# Allegro board 1156197-TDI_VU3P_QSFP28_CXP_V001_1023A-166-20241121_1644_PCB.brd (continued)
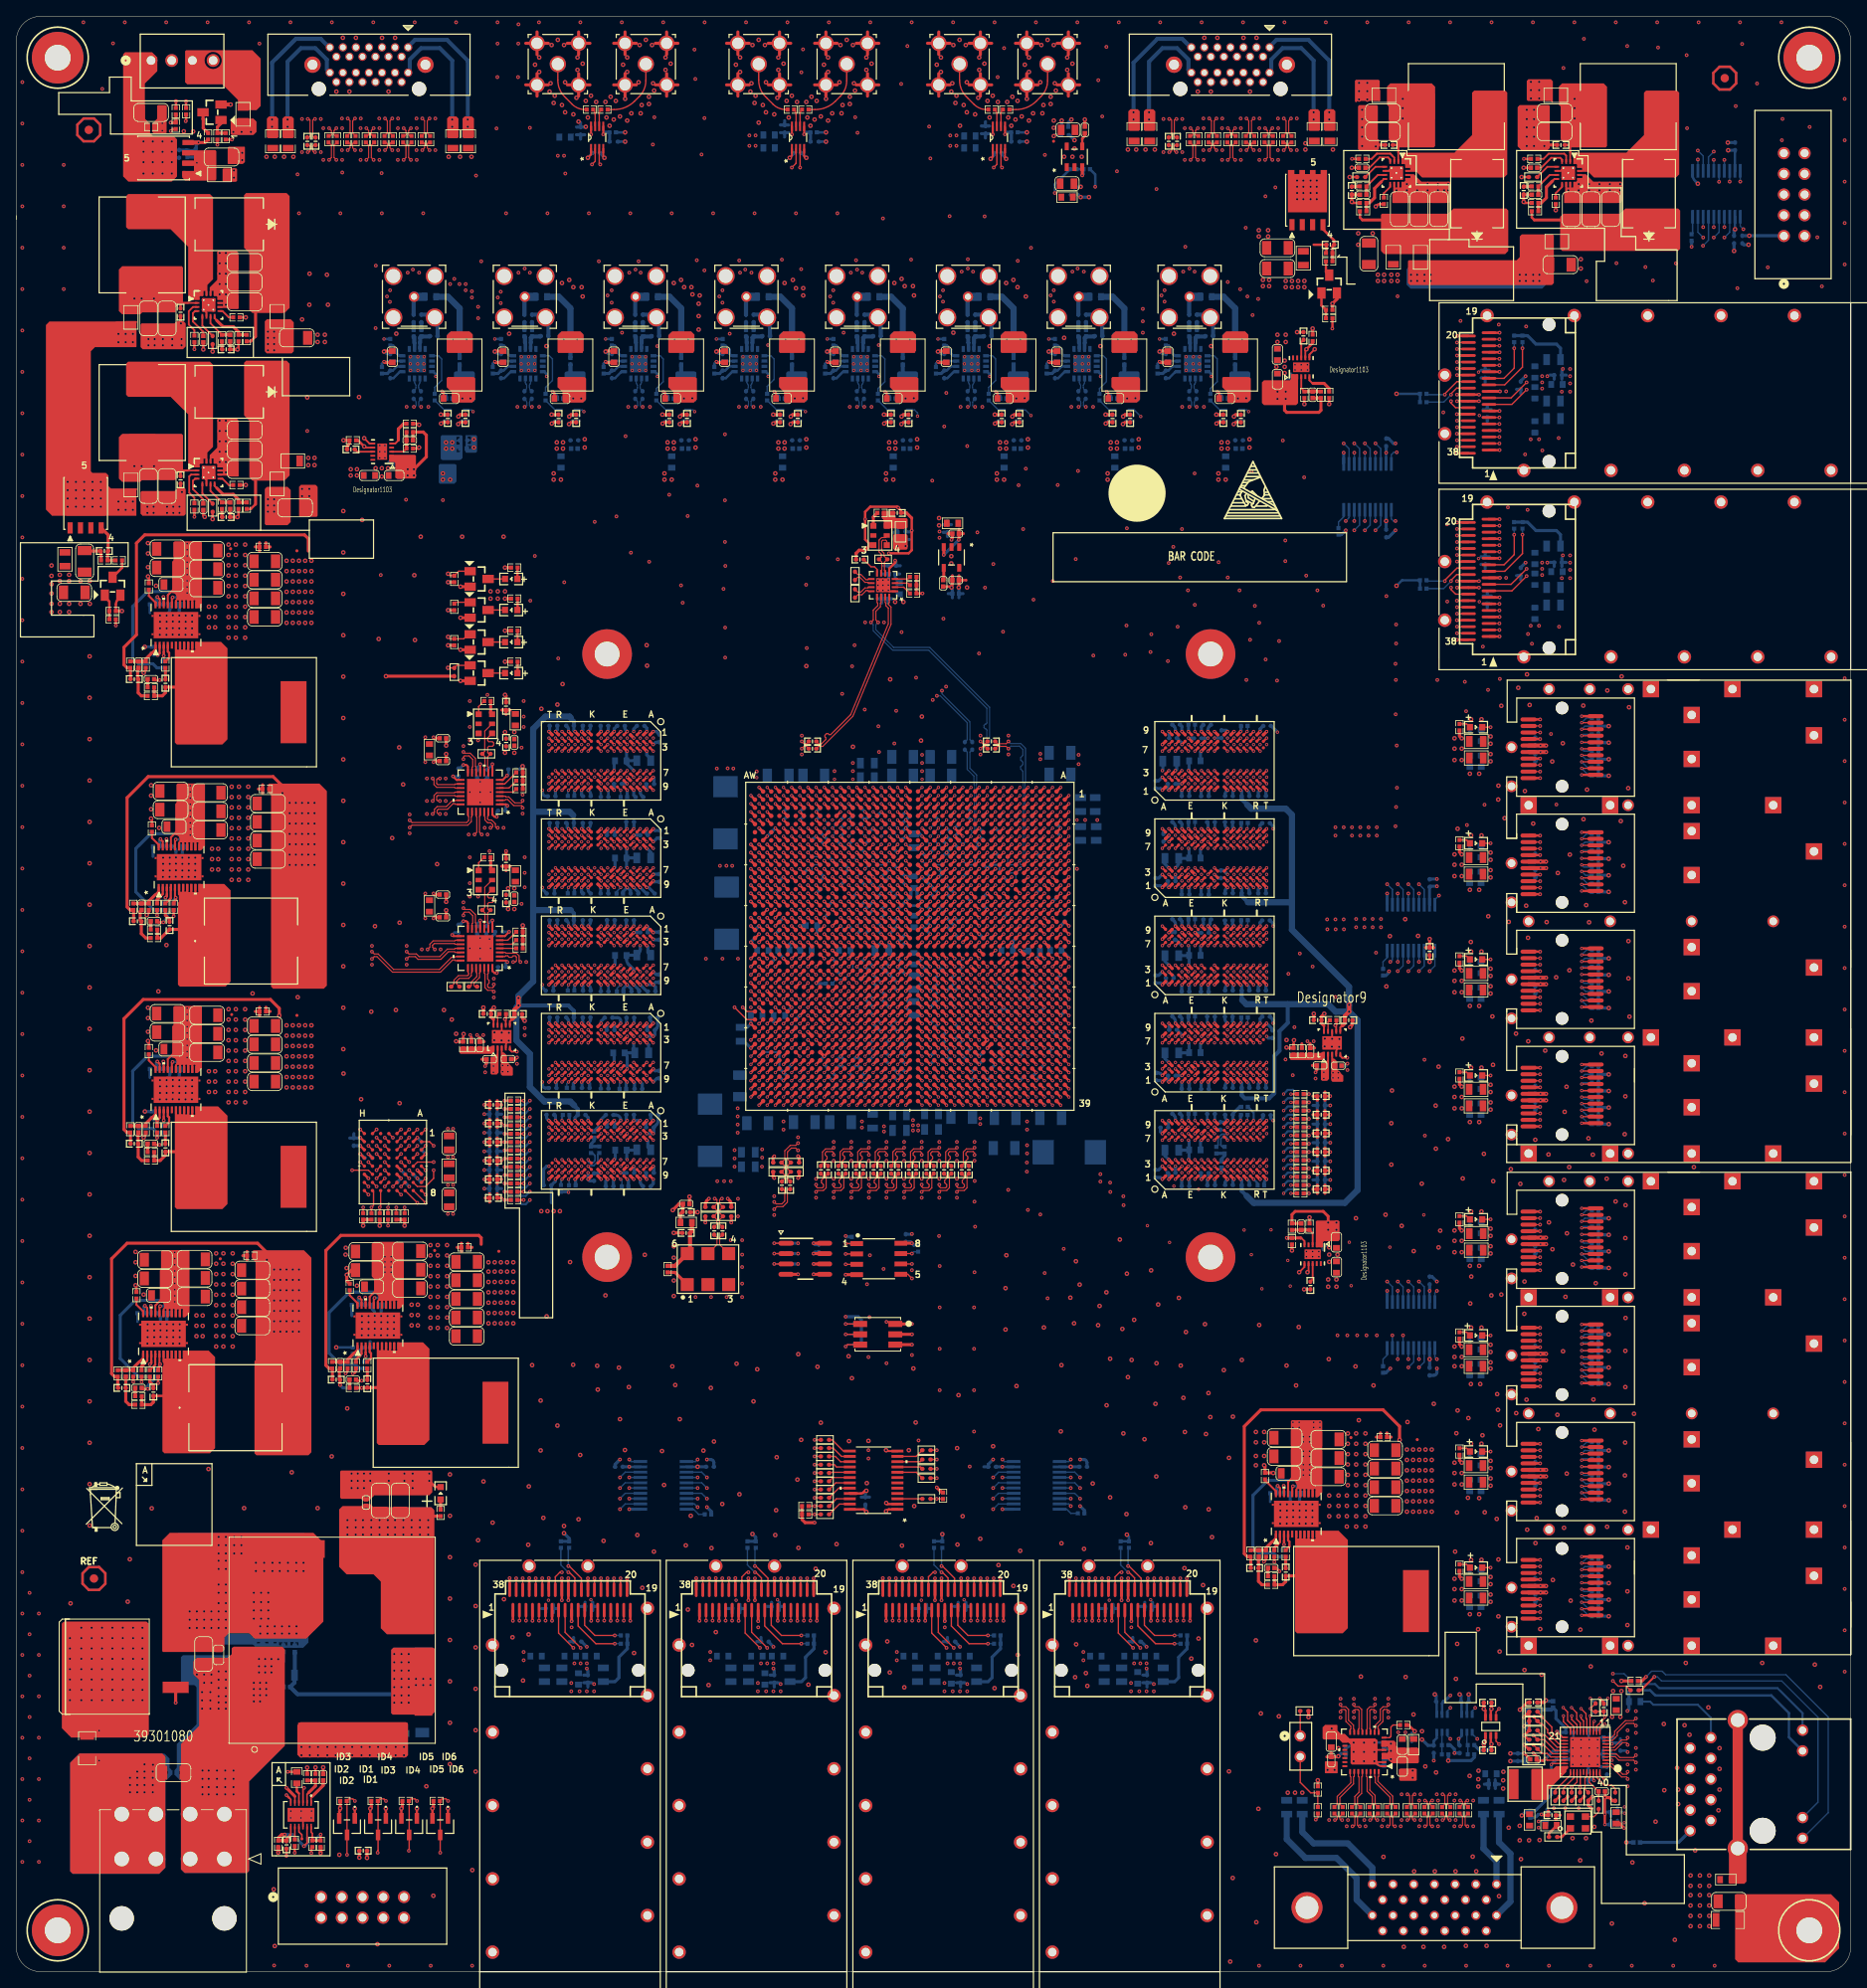
[diagram p0: board, top side]
## Routing (per net, layer and track width the routed paths; a pad name or vN(x,y) marks a point on that pad's centre or on a via; arc(x,y) is an arc through that point) (continued)
  ART07 w0.114: v1(62.1,142.85) 61.88,143.08 61.33,143.08 60.73,143.67 60.73,148.16 64.08,151.51 64.08,153.67 65.15,154.74 65.15,161.54 69.8,166.19 94.66,166.19 106.75,154.1 106.75,145.9
  BOTTOM w0.14: C100.2 106.6,139.86 v3(106.1,139.36)
CHA_MGTY_227_CLK0_N: length 102.8
  TOP w0.14: v1(59.05,140.4) 58.9,140.4 58.76,140.54 58.76,140.89 58.31,141.35 57.95,141.35 57.81,141.49 57.81,141.79 57.9,141.87 U62.27
  ART07 w0.102: v3(112.1,140.36) 112.1,140.06 112,139.96 110.59,139.96 110.54,140.01 110.52,140.01
  ART07 w0.114: 110.52,140.01 110.35,140.01 110.25,140.11 110.25,154.19 96.93,167.51 68.78,167.51 62.81,161.54 62.81,152.22 61.78,151.18 60.12,151.18 59,150.06 59,143.13 60.4,141.73 60.4,141.46 60.28,141.34 60.13,141.34 60.02,141.23 60.02,141 60.13,140.89 60.28,140.89 60.4,140.77 60.4,140.21 59.89,139.7 59,139.7 58.76,139.94 58.76,140.11 v1(59.05,140.4)
  BOTTOM w0.14: C104.2 112.6,140.86 v3(112.1,140.36)
CHA_MGTY_227_CLK0_P: length 102.8
  TOP w0.14: v1(58.16,140.4) 58.3,140.4 58.44,140.54 58.44,140.76 58.17,141.02 57.81,141.02 57.48,141.35 57.48,141.75 57.4,141.84 U62.26
  ART07 w0.102: v3(112.1,139.36) 112.1,139.65 112,139.76 110.59,139.76 110.54,139.7 110.52,139.7
  ART07 w0.114: 110.52,139.7 110.23,139.7 109.94,139.98 109.94,154.06 96.8,167.21 68.91,167.21 63.12,161.42 63.12,152.09 61.9,150.88 60.25,150.88 59.31,149.93 59.31,143.26 60.71,141.86 60.71,140.08 60.02,139.39 58.88,139.39 58.45,139.82 58.45,140.11 v1(58.16,140.4)
  BOTTOM w0.14: v3(112.1,139.36) 112.6,139.86 C102.2
CHA_MGTY_228_CLK0_N: length 99.1
  TOP w0.14: U62.25 56.9,141.87 56.81,141.79 56.81,139.85 v1(57.09,139.57)
  ART07 w0.114: v1(112.91,156.6) 112.91,157.02 112.63,157.31 112.47,157.31 112.21,157.04 112.04,157.04 111.88,157.21 111.88,157.37 112.14,157.63 112.14,157.79 110.22,159.71 107.09,159.71 98.27,168.53 66.04,168.53 54.1,156.59 54.1,147.96 55.12,146.94 55.12,144.42 56.72,142.82 56.72,141.53 56.83,141.42 56.93,141.42 57.05,141.3 57.05,141.07 56.93,140.96 56.83,140.96 56.72,140.85 56.72,139.95 v1(57.09,139.57)
  BOTTOM w0.14: C105.2 116.63,151.22 116.63,153.28 113.32,156.6 v1(112.91,156.6)
CHA_MGTY_228_CLK0_P: length 98.7
  TOP w0.14: U62.24 56.4,141.84 56.48,141.75 56.48,139.85 v1(56.2,139.57)
  ART07 w0.114: v1(56.2,139.57) 56.43,139.8 56.41,139.82 56.41,142.7 54.81,144.3 54.81,146.81 53.79,147.83 53.79,156.72 65.91,168.84 98.4,168.84 107.21,160.02 110.35,160.02 113.14,157.23 v1(113.54,157.23)
  BOTTOM w0.14: v1(113.54,157.23) 113.54,156.84 116.96,153.42 116.96,151.22 C103.2
CHA_QSFP2_I2C_SCL: length 198.4
  TOP w0.17: R504.2 v1(112.9,61.72) ; v1(184.74,199.26) 184.74,196.94 182.57,194.77 J5.11
  ART03 w0.122: v1(163.26,78.11) 162.51,78.86 160.39,78.86 158.24,76.71 125.48,76.71 114.05,65.28 114.05,62.87 v1(112.9,61.72)
  ART12 w0.122: v1(163.26,78.11) 163.26,78.17 166.04,80.95 166.04,93.48 170.18,97.62 170.18,114.22 174.19,118.23 174.19,131.11 173.74,131.57 173.74,134.37 174.5,135.13 174.5,156.19 178.84,160.53 178.84,181.25 184.4,186.82 184.4,198.92 v1(184.74,199.26)
  BOTTOM w0.17: R245.2 v1(184.74,199.26)
CHA_QSFP2_I2C_SDA: length 195.7
  TOP w0.17: J5.12 182.48,195.57 183.72,196.81 v1(183.72,199.26) ; R501.2 v1(112.9,60.58)
  ART03 w0.122: v1(162.05,78.11) 161.16,78.11 159.26,76.2 125.73,76.2 114.55,65.02 114.55,62.23 v1(112.9,60.58)
  ART12 w0.122: v1(183.72,199.26) 183.72,187.03 178.23,181.53 178.23,160.66 174,156.42 174,135.77 172.72,134.49 172.72,117.47 169.67,114.43 169.67,97.83 165.53,93.69 165.53,81.58 v1(162.05,78.11)
  BOTTOM w0.17: R246.2 v1(183.72,199.26)
CHA_QSFP2_INTL: length 5.9
  TOP w0.17: J5.28 176.67,194.36 175.98,193.67 v1(175.98,193.56)
  BOTTOM w0.17: v1(175.98,193.56) 175.98,193.54 175.08,192.65 R248.2
CHA_QSFP2_LPMODE: length 18.1
  TOP w0.17: J5.31 176.54,191.96 175.98,192.53 v1(175.98,192.76)
  ART05 w0.122: v1(165.41,187.58) 165.48,187.58 165.99,188.09 169.66,188.09 174.33,192.76 v1(175.98,192.76)
  BOTTOM w0.17: U21.16 166.06,186.93 v1(165.41,187.58)
CHA_QSFP2_LPMODE_1V8: length 108.8
  TOP w0.152: U1.H26 v1(122.1,119.36)
  ART05 w0.122: v1(165.41,176.91) 165.35,176.85 165.35,139.95 v1(164.85,139.45)
  ART14 w0.122: v1(122.1,119.36) 121.82,119.36 121.32,119.86 120.93,119.86 120.6,120.19 120.6,120.55 120.24,120.9 119.86,120.9 119.6,121.16 119.6,121.57 119.38,121.79 117.86,121.79 117.59,122.06 117.59,130.52 117.88,130.81 122.43,130.81 122.68,131.06 122.68,131.57 122.97,131.86 138.53,131.86 139.05,131.33 159.06,131.33 164.85,137.11 v1(164.85,139.45)
  BOTTOM w0.17: U21.5 166.06,177.56 v1(165.41,176.91)
CHA_QSFP2_MODPRSL: length 23
  TOP w0.17: v1(175.22,193.56) 175.22,193.67 176.71,195.16 J5.27
  ART05 w0.122: v1(175.22,193.56) 174.41,193.56 169.57,188.72 165.48,188.72 165.35,188.6 165.35,188.59 164.85,188.09 164.85,187.2 165.1,186.94 166.2,186.94 v1(166.71,186.44)
  BOTTOM w0.17: U21.17 v1(166.71,186.44) ; R247.2 173.08,193.56 v1(175.22,193.56)
CHA_QSFP2_MODPRSL_1V8: length 98.3
  TOP w0.152: v1(121.1,122.36) 121.1,122.36 U1.H23
  ART05 w0.122: v1(166.71,178.05) 167.26,177.51 167.26,176.4 166.88,176.02 v1(166.88,140.46)
  ART14 w0.122: v1(166.88,140.46) 166.37,139.95 166.37,136.48 160.08,130.19 138.82,130.19 137.54,128.91 123.06,128.91 122.56,128.4 122.56,128.12 122.28,127.84 121.79,127.84 121.62,127.66 121.62,122.87 v1(121.1,122.36)
  BOTTOM w0.17: U21.4 v1(166.71,178.05)
CHA_QSFP2_MODSEIL: length 30.7
  TOP w0.17: J5.8 183.44,192.37 v1(185.25,194.18)
  ART05 w0.122: v1(169.32,186.49) 173.56,186.49 175.42,184.63 178.26,184.63 180.8,187.17 180.8,191.87 181.44,192.5 183.57,192.5 v1(185.25,194.18)
  BOTTOM w0.17: v1(169.32,186.49) 168.96,186.49 168.66,186.19 U21.20
CHA_QSFP2_MODSEIL_1V8: length 101.6
  TOP w0.152: U1.G26 v1(123.1,119.36)
  ART05 w0.122: v1(166.88,139.45) 167.39,139.95 167.39,175.9 167.89,176.4 167.89,177.04 168.91,178.05 v1(169.16,178.05)
  ART14 w0.122: v1(166.88,139.45) 166.88,136.27 160.41,129.81 139.2,129.81 137.29,127.89 122.89,127.89 122.59,127.6 122.59,120.1 123.1,119.6 v1(123.1,119.36)
  BOTTOM w0.17: v1(169.16,178.05) 168.91,178.05 168.66,178.3 U21.1
CHA_QSFP2_RESETL: length 34.5
  TOP w0.17: v1(185.25,195.07) 183.35,193.17 J5.9
  ART05 w0.122: v1(166.71,187.58) 167.22,187.07 173.99,187.07 175.67,185.39 177.88,185.39 180.17,187.68 180.17,192.5 180.93,193.26 183.45,193.26 v1(185.25,195.07)
  BOTTOM w0.17: U21.18 167.36,186.93 v1(166.71,187.58)
CHA_QSFP2_RESETL_1V8: length 101.2
  TOP w0.152: U1.H24 v1(122.1,121.36)
  ART05 w0.122: v1(166.71,176.91) 166.71,176.62 166.37,176.28 166.37,139.95 v1(165.86,139.45)
  ART14 w0.122: v1(122.1,121.36) 121.97,121.36 121.47,121.86 120.89,121.86 120.6,122.15 120.6,128.58 120.93,128.91 122.43,128.91 122.68,129.16 122.68,129.55 123.06,129.92 137.79,129.92 138.44,130.57 159.74,130.57 165.86,136.69 v1(165.86,139.45)
  BOTTOM w0.17: v1(166.71,176.91) 167.36,177.56 U21.3
CHA_QSFP2_RX0_N: length 105.5
  TOP w0.14: J5.18 180.63,200.37 v1(181.91,200.37) ; U1.AC1 v3(106.1,145.36)
  ART14 w0.102: v3(106.1,145.36) 106.1,145.06 arc(106.13,144.99) 106.2,144.96 106.35,144.96 arc(106.46,145) 106.5,145.11 106.5,145.64 106.45,145.69 106.45,145.72
  ART14 w0.114: v1(181.91,200.37) 181.78,200.23 arc(181.65,200.15) 181.5,200.12 180.77,200.12 arc(180.4,200.19) 180.09,200.4 179.29,201.2 arc(178.76,201.55) 178.14,201.68 175.94,201.68 arc(172.5,200.99) 169.58,199.04 155.61,185.07 arc(151.13,182.08) 145.85,181.03 139.26,181.03 arc(133.92,179.97) 129.39,176.94 110.17,157.72 arc(109.05,156.05) 108.66,154.08 108.66,151.64 arc(108.33,150) 107.4,148.6 107.25,148.45 arc(107,148.17) 106.8,147.85 arc(106.54,147.21) 106.45,146.52 106.45,145.72
CHA_QSFP2_RX0_P: length 105.5
  TOP w0.14: v1(181.91,199.57) 180.63,199.57 J5.17 ; U1.AC2 v3(106.1,144.36)
  ART14 w0.102: 106.76,145.72 106.76,145.69 106.71,145.64 106.71,145.11 arc(106.6,144.86) 106.35,144.76 106.2,144.76 arc(106.13,144.73) 106.1,144.65 v3(106.1,144.36)
  ART14 w0.114: 106.76,145.72 106.76,146.52 arc(106.84,147.13) 107.06,147.7 arc(107.25,147.98) 107.47,148.23 107.62,148.39 arc(108.62,149.88) 108.97,151.64 108.97,154.08 arc(109.33,155.93) 110.38,157.5 129.6,176.72 arc(134.03,179.68) 139.26,180.72 145.85,180.72 arc(151.25,181.79) 155.82,184.85 169.79,198.82 arc(172.61,200.71) 175.94,201.37 178.14,201.37 arc(178.65,201.27) 179.08,200.98 179.16,200.9 arc(179.18,200.85) 179.16,200.8 arc(179.14,200.75) 179.16,200.7 179.38,200.48 arc(179.43,200.46) 179.48,200.48 arc(179.53,200.5) 179.58,200.48 179.87,200.18 arc(180.29,199.91) 180.77,199.81 181.5,199.81 arc(181.65,199.78) 181.78,199.7 v1(181.91,199.57)
CHA_QSFP2_RX1_N: length 97.8
  TOP w0.14: v1(176.71,199.96) 176.72,199.97 J5.21 ; U1.AA1 v3(108.1,145.36)
  ART14 w0.102: 108.45,145.72 108.45,145.69 108.5,145.64 108.5,145.11 arc(108.46,145) 108.35,144.96 108.2,144.96 arc(108.13,144.99) 108.1,145.06 v3(108.1,145.36)
  ART14 w0.114: v1(176.71,199.96) 176.58,199.83 arc(176.45,199.75) 176.3,199.72 174.92,199.72 arc(172.55,199.25) 170.55,197.91 153.89,181.25 arc(150.97,179.3) 147.53,178.62 136.46,178.62 arc(133.47,178.02) 130.93,176.33 111.05,156.44 arc(110.16,155.12) 109.86,153.56 109.86,148.73 109.85,148.73 arc(109.79,148.42) 109.61,148.15 109.11,147.65 arc(108.62,146.91) 108.45,146.05 108.45,145.72
CHA_QSFP2_RX1_P: length 97.8
  TOP w0.14: J5.22 176.71,199.17 v1(176.71,199.16) ; U1.AA2 v3(108.1,144.36)
  ART14 w0.102: v3(108.1,144.36) 108.1,144.65 arc(108.13,144.73) 108.2,144.76 108.35,144.76 arc(108.6,144.86) 108.71,145.11 108.71,145.64 108.76,145.69 108.76,145.72
  ART14 w0.114: 108.76,145.72 108.76,146.05 arc(108.91,146.8) 109.33,147.43 109.83,147.93 arc(110.08,148.3) 110.16,148.73 110.16,153.56 arc(110.45,155) 111.26,156.22 131.15,176.11 arc(133.59,177.74) 136.46,178.31 147.53,178.31 arc(151.09,179.02) 154.11,181.03 170.77,197.69 arc(172.67,198.96) 174.92,199.41 175.49,199.41 arc(175.54,199.39) 175.56,199.34 arc(175.58,199.28) 175.63,199.26 175.94,199.26 arc(176,199.28) 176.02,199.34 arc(176.04,199.39) 176.09,199.41 176.3,199.41 arc(176.45,199.38) 176.58,199.3 v1(176.71,199.16)
CHA_QSFP2_RX2_N: length 104.6
  TOP w0.14: v1(181.91,197.97) 180.63,197.97 J5.15 ; U1.W1 v3(111.1,145.36)
  ART14 w0.102: v3(111.1,145.36) 111.1,145.06 arc(111.13,144.99) 111.2,144.96 111.39,144.96 arc(111.61,144.87) 111.7,144.65 111.7,144.1 arc(111.74,144) 111.85,143.96 114.22,143.96 arc(114.42,144.04) 114.5,144.24 114.5,145.61 114.45,145.66 114.45,145.69
  ART14 w0.114: v1(181.91,197.97) 181.78,197.83 arc(181.65,197.75) 181.5,197.72 181.19,197.72 arc(180.99,197.68) 180.83,197.57 180.56,197.31 arc(180.45,197.14) 180.41,196.95 180.41,190.09 arc(180.09,188.47) 179.18,187.11 175.18,183.1 arc(172.4,181.25) 169.12,180.59 164.54,180.59 arc(162.66,180.22) 161.07,179.16 158.18,176.26 arc(155.86,174.71) 153.12,174.17 140.34,174.17 arc(136.35,173.38) 132.96,171.11 116.65,154.8 arc(115.02,152.36) 114.45,149.49 114.45,145.69
CHA_QSFP2_RX2_P: length 104.6
  TOP w0.14: J5.14 180.63,197.17 v1(181.91,197.17) ; U1.W2 v3(111.1,144.36)
  ART14 w0.102: 114.75,145.69 114.75,145.66 114.7,145.61 114.7,144.24 arc(114.56,143.9) 114.22,143.76 111.85,143.76 arc(111.6,143.86) 111.5,144.1 111.5,144.65 arc(111.47,144.72) 111.39,144.76 111.2,144.76 arc(111.13,144.73) 111.1,144.65 v3(111.1,144.36)
  ART14 w0.114: 114.75,145.69 114.75,149.49 arc(115.3,152.25) 116.87,154.59 133.18,170.9 arc(136.46,173.09) 140.34,173.86 153.12,173.86 arc(155.98,174.43) 158.39,176.05 161.28,178.94 arc(162.78,179.94) 164.54,180.29 169.12,180.29 arc(172.51,180.96) 175.39,182.89 179.4,186.89 arc(180.38,188.36) 180.72,190.09 180.72,196.17 arc(180.74,196.22) 180.8,196.24 arc(180.85,196.26) 180.87,196.32 180.87,196.62 arc(180.85,196.68) 180.8,196.7 arc(180.74,196.72) 180.72,196.78 180.72,196.95 arc(180.74,197.02) 180.78,197.09 181.04,197.35 arc(181.11,197.4) 181.19,197.41 181.5,197.41 arc(181.65,197.38) 181.78,197.3 v1(181.91,197.17)
CHA_QSFP2_RX3_N: length 96.4
  TOP w0.14: v1(176.71,197.56) 178.12,197.56 J5.24 ; U1.U1 v3(113.1,145.36)
  ART14 w0.102: 113.45,145.87 113.45,145.85 113.5,145.79 113.5,145.07 arc(113.47,144.99) 113.39,144.96 113.2,144.96 arc(113.13,144.99) 113.1,145.06 v3(113.1,145.36)
  ART14 w0.114: v1(176.71,197.56) 176.58,197.43 arc(176.45,197.35) 176.3,197.32 176.23,197.32 arc(176.17,197.33) 176.12,197.36 176.12,197.36 arc(175.84,197.55) 175.51,197.61 175.05,197.61 arc(174.28,197.46) 173.63,197.03 173.46,196.85 arc(172.82,195.9) 172.59,194.77 172.59,189.7 arc(172.33,188.38) 171.58,187.26 168.22,183.89 arc(166.59,182.81) 164.67,182.43 162.56,182.43 arc(160.61,182.04) 158.96,180.93 157.25,179.22 arc(154.05,177.08) 150.27,176.33 141.47,176.33 arc(136.48,175.34) 132.25,172.51 114.2,154.46 arc(112.92,152.54) 112.47,150.27 112.47,147.97 arc(112.48,147.8) 112.51,147.64 arc(112.66,147.22) 112.93,146.86 113.29,146.49 arc(113.41,146.32) 113.45,146.12 113.45,145.87
CHA_QSFP2_RX3_P: length 96.5
  TOP w0.14: U1.U2 v3(113.1,144.36) ; J5.25 178.12,196.76 v1(176.71,196.76)
  ART14 w0.102: v3(113.1,144.36) 113.1,144.65 arc(113.13,144.73) 113.2,144.76 113.39,144.76 arc(113.61,144.85) 113.7,145.07 113.7,145.79 113.75,145.85 113.75,145.87
  ART14 w0.114: 113.75,145.87 113.75,146.12 arc(113.69,146.44) 113.51,146.71 113.15,147.07 arc(112.93,147.36) 112.81,147.7 arc(112.78,147.84) 112.78,147.97 112.78,150.27 arc(113.2,152.42) 114.42,154.25 132.47,172.29 arc(136.6,175.05) 141.47,176.02 150.27,176.02 arc(154.16,176.8) 157.47,179.01 159.18,180.72 arc(160.73,181.75) 162.56,182.12 164.67,182.12 arc(166.71,182.52) 168.44,183.68 171.8,187.04 arc(172.61,188.26) 172.9,189.7 172.9,193.98 arc(172.93,194.04) 172.99,194.07 arc(173.05,194.09) 173.08,194.16 173.08,194.44 arc(173.05,194.5) 172.99,194.53 arc(172.93,194.55) 172.9,194.61 172.9,194.77 arc(173.1,195.78) 173.67,196.63 173.85,196.81 arc(174.4,197.18) 175.05,197.31 175.51,197.31 arc(175.73,197.26) 175.91,197.14 arc(176.05,197.04) 176.23,197.01 176.3,197.01 arc(176.45,196.98) 176.58,196.89 v1(176.71,196.76)
CHA_QSFP2_TX0_N: length 96.6
  TOP w0.14: v1(176.71,187.16) 176.72,187.17 J5.37 ; U1.AD4 v3(105.1,142.36)
  ART16 w0.102: 104.78,145.84 104.78,145.81 104.73,145.76 104.73,144.2 104.7,143.8 104.7,142.15 arc(104.76,142.01) 104.89,141.96 104.91,141.96 arc(105.05,142.01) 105.1,142.15 v3(105.1,142.36)
  ART16 w0.114: v1(176.71,187.16) 176.58,187.3 arc(176.45,187.38) 176.3,187.41 176.15,187.41 arc(176.04,187.39) 175.95,187.33 175.8,187.18 arc(175.78,187.12) 175.8,187.06 arc(175.83,186.99) 175.8,186.93 175.61,186.73 arc(175.54,186.71) 175.48,186.73 arc(175.42,186.76) 175.36,186.73 175.16,186.53 arc(175.13,186.47) 175.16,186.41 arc(175.18,186.35) 175.16,186.28 174.96,186.08 arc(174.9,186.06) 174.83,186.08 arc(174.77,186.11) 174.71,186.08 174.57,185.94 arc(173.65,185.33) 172.56,185.11 159.39,185.11 arc(156.64,184.57) 154.31,183.01 arc(151.77,181.32) 148.79,180.72 arc(136.75,178.33) 126.56,171.51 108,152.96 arc(107.21,151.78) 106.93,150.38 106.93,149 arc(106.86,148.64) 106.66,148.34 106.22,147.89 arc(106.19,147.83) 106.22,147.77 arc(106.24,147.71) 106.22,147.64 106.02,147.44 arc(105.96,147.42) 105.89,147.44 arc(105.83,147.47) 105.77,147.44 105.57,147.25 arc(105.54,147.18) 105.57,147.12 arc(105.6,147.06) 105.57,147 105.37,146.8 arc(105.31,146.77) 105.25,146.8 arc(105.18,146.82) 105.12,146.8 104.99,146.67 arc(104.83,146.43) 104.78,146.14 104.78,145.84
CHA_QSFP2_TX0_P: length 96.6
  TOP w0.14: U1.AD5 v3(105.1,141.36) ; J5.36 178.12,187.96 v1(176.71,187.96)
  ART16 w0.102: v3(105.1,141.36) 105.1,141.57 arc(105.05,141.7) 104.91,141.76 104.89,141.76 arc(104.61,141.87) 104.5,142.15 104.5,143.81 104.52,144.2 104.52,145.76 104.47,145.81 104.47,145.84
  ART16 w0.114: v1(176.71,187.96) 176.58,187.83 arc(176.45,187.75) 176.3,187.72 176.15,187.72 arc(175.92,187.67) 175.73,187.55 174.35,186.16 arc(173.53,185.61) 172.56,185.42 159.39,185.42 arc(156.52,184.85) 154.09,183.22 arc(151.66,181.6) 148.79,181.03 148.78,181.03 arc(136.64,178.61) 126.34,171.73 108.74,154.14 108.41,153.8 107.78,153.18 arc(106.93,151.89) 106.63,150.38 106.63,149 arc(106.58,148.76) 106.44,148.55 105.59,147.7 104.78,146.89 arc(104.55,146.54) 104.47,146.14 104.47,145.84
CHA_QSFP2_TX1_N: length 105.2
  TOP w0.14: U1.AB4 v3(107.1,142.36) ; J5.2 180.63,187.57 v1(181.91,187.57)
  ART16 w0.102: 113.47,146.02 113.47,146 113.52,145.95 113.52,144.02 113.5,143.62 113.5,141.33 arc(113.39,141.07) 113.13,140.96 110.73,140.96 arc(110.59,140.99) 110.47,141.07 109.75,141.79 arc(109.56,141.91) 109.34,141.96 107.29,141.96 arc(107.16,142.01) 107.1,142.15 v3(107.1,142.36)
  ART16 w0.114: 113.47,146.02 113.47,148.53 arc(113.44,148.6) 113.38,148.63 arc(113.31,148.65) 113.28,148.72 113.28,148.99 arc(113.31,149.06) 113.38,149.08 arc(113.44,149.11) 113.47,149.18 113.47,149.45 arc(113.44,149.51) 113.38,149.54 arc(113.31,149.57) 113.28,149.63 113.28,149.9 arc(113.31,149.97) 113.38,150 arc(113.44,150.02) 113.47,150.09 113.47,151.38 arc(113.9,153.55) 115.13,155.39 116.98,157.24 116.98,157.24 129.22,169.48 arc(136.81,174.55) 145.76,176.33 151.64,176.33 arc(154.15,176.83) 156.28,178.25 157.35,179.32 arc(159.1,180.49) 161.16,180.9 173.45,180.9 arc(174.42,181.09) 175.24,181.64 177.64,184.05 arc(178.24,184.44) 178.94,184.58 180.13,184.58 arc(180.56,184.67) 180.92,184.91 181.04,185.03 arc(181.07,185.09) 181.04,185.15 arc(181.02,185.2) 181.04,185.26 181.25,185.47 arc(181.31,185.49) 181.37,185.47 arc(181.42,185.45) 181.48,185.47 181.69,185.68 arc(181.71,185.74) 181.69,185.79 arc(181.67,185.85) 181.69,185.91 181.9,186.12 arc(181.96,186.14) 182.01,186.12 arc(182.07,186.09) 182.13,186.12 182.56,186.55 arc(182.66,186.71) 182.7,186.89 182.7,187.56 arc(182.62,187.74) 182.44,187.81 182.32,187.81 arc(182.17,187.78) 182.04,187.7 v1(181.91,187.57)
CHA_QSFP2_TX1_P: length 105.3
  TOP w0.14: v1(181.91,188.37) 180.63,188.37 J5.3 ; U1.AB5 v3(107.1,141.36)
  ART16 w0.102: 113.78,146.02 113.78,146 113.72,145.95 113.72,144.01 113.7,143.62 113.7,141.33 arc(113.53,140.92) 113.13,140.76 110.73,140.76 arc(110.51,140.8) 110.33,140.92 109.6,141.65 arc(109.48,141.73) 109.34,141.76 107.29,141.76 arc(107.16,141.7) 107.1,141.57 v3(107.1,141.36)
  ART16 w0.114: v1(181.91,188.37) 182.04,188.24 arc(182.17,188.15) 182.32,188.12 182.44,188.12 arc(182.84,187.95) 183.01,187.56 183.01,186.89 arc(182.95,186.59) 182.77,186.33 181.14,184.7 arc(180.68,184.39) 180.13,184.28 178.94,184.28 arc(178.36,184.16) 177.86,183.83 175.45,181.42 arc(174.54,180.81) 173.45,180.59 161.16,180.59 arc(159.22,180.21) 157.57,179.11 156.5,178.04 arc(154.27,176.55) 151.64,176.02 145.76,176.02 arc(136.93,174.27) 129.44,169.26 117.71,157.54 117.71,157.54 115.35,155.17 arc(114.19,153.43) 113.78,151.38 113.78,146.02
CHA_QSFP2_TX2_N: length 97.4
  TOP w0.14: v1(176.71,189.56) 178.12,189.56 J5.34 ; U1.V4 v3(112.1,142.36)
  ART16 w0.102: 112.42,145.84 112.42,145.81 112.48,145.76 112.48,144.05 112.5,143.66 112.5,142.11 112.5,142.07 112.5,142.07 arc(112.47,141.99) 112.39,141.96 112.29,141.96 arc(112.16,142.01) 112.1,142.15 v3(112.1,142.36)
  ART16 w0.114: v1(176.71,189.56) 176.84,189.7 arc(176.97,189.78) 177.12,189.81 177.24,189.81 arc(177.55,189.68) 177.67,189.38 177.67,189.23 arc(177.65,189.18) 177.6,189.16 arc(177.54,189.13) 177.52,189.08 177.52,188.78 arc(177.54,188.72) 177.6,188.7 arc(177.65,188.68) 177.67,188.62 177.67,186.81 arc(177.61,186.49) 177.43,186.22 176.9,185.69 arc(176.84,185.66) 176.77,185.69 arc(176.71,185.72) 176.65,185.69 176.45,185.49 arc(176.42,185.43) 176.45,185.37 arc(176.47,185.3) 176.45,185.24 176.25,185.04 arc(176.19,185.02) 176.13,185.04 arc(176.06,185.07) 176,185.04 175.8,184.84 arc(175.78,184.78) 175.8,184.72 arc(175.83,184.66) 175.8,184.59 175.6,184.4 arc(175.54,184.37) 175.48,184.4 arc(175.42,184.42) 175.35,184.4 175.16,184.2 arc(175.13,184.14) 175.16,184.07 arc(175.18,184.01) 175.16,183.95 174.23,183.02 arc(173.57,182.58) 172.8,182.43 159.02,182.43 arc(157.29,182.08) 155.83,181.1 155.8,181.08 arc(153.08,179.26) 149.86,178.62 146.77,178.62 arc(137.12,176.7) 128.94,171.23 113.28,155.57 arc(112.23,154) 111.86,152.15 111.86,148.5 arc(111.94,148.09) 112.18,147.74 arc(112.36,147.46) 112.42,147.14 112.42,145.84
CHA_QSFP2_TX2_P: length 97.4
  TOP w0.14: J5.33 178.12,190.36 v1(176.71,190.36) ; U1.V5 v3(112.1,141.36)
  ART16 w0.102: v3(112.1,141.36) 112.1,141.57 arc(112.16,141.7) 112.29,141.76 112.39,141.76 arc(112.61,141.85) 112.7,142.07 112.7,142.11 112.7,143.66 112.68,144.06 112.68,145.76 112.73,145.81 112.73,145.84
  ART16 w0.114: v1(176.71,190.36) 176.84,190.23 arc(176.97,190.15) 177.12,190.12 177.24,190.12 arc(177.76,189.9) 177.98,189.38 177.98,186.81 arc(177.89,186.37) 177.65,186 174.44,182.8 arc(173.69,182.3) 172.8,182.12 159.02,182.12 arc(157.41,181.8) 156.05,180.89 156.02,180.86 arc(153.19,178.97) 149.86,178.31 146.77,178.31 arc(137.24,176.41) 129.16,171.01 113.5,155.35 arc(112.51,153.88) 112.17,152.15 112.17,152.15 112.17,148.5 arc(112.23,148.21) 112.39,147.96 arc(112.64,147.58) 112.73,147.14 112.73,145.84
CHA_QSFP2_TX3_N: length 101.4
  TOP w0.14: U1.T4 v3(114.1,142.36) ; v1(181.91,189.97) 180.63,189.97 J5.5
  ART16 w0.102: v3(114.1,142.36) 114.1,142.15 arc(114.16,142.01) 114.29,141.96 114.39,141.96 arc(114.47,141.99) 114.5,142.07 114.5,142.07 114.5,142.11 114.5,143.67 114.48,144.06 114.48,145.76 114.42,145.81 114.42,145.84
  ART16 w0.114: v1(181.91,189.97) 182.04,190.1 arc(182.17,190.18) 182.32,190.21 182.53,190.21 arc(182.59,190.19) 182.61,190.13 arc(182.64,190.07) 182.7,190.04 182.98,190.04 arc(183.04,190.07) 183.07,190.13 arc(183.09,190.19) 183.15,190.21 183.3,190.21 arc(183.46,190.18) 183.58,190.1 183.75,189.93 arc(183.91,189.69) 183.97,189.41 183.97,186.53 arc(183.86,185.97) 183.54,185.5 180.64,182.6 arc(180.45,182.47) 180.22,182.43 179.2,182.43 arc(178.49,182.29) 177.9,181.89 175.28,179.27 arc(169.63,175.5) 162.96,174.17 145.15,174.17 arc(136.71,172.49) 129.56,167.71 116.43,154.59 arc(115.66,153.43) 115.39,152.07 115.39,151.8 arc(115.36,151.74) 115.3,151.71 arc(115.24,151.69) 115.21,151.62 115.21,151.34 arc(115.24,151.28) 115.3,151.26 arc(115.36,151.23) 115.39,151.17 115.39,150.89 arc(115.36,150.82) 115.3,150.8 arc(115.24,150.77) 115.21,150.71 115.21,150.43 arc(115.24,150.37) 115.3,150.34 arc(115.36,150.32) 115.39,150.25 115.39,149.97 arc(115.36,149.91) 115.3,149.88 115.29,149.88 arc(115.23,149.86) 115.2,149.8 115.2,149.51 arc(115.23,149.45) 115.29,149.43 115.3,149.43 arc(115.36,149.4) 115.39,149.34 115.39,149.05 arc(115.28,148.51) 114.97,148.05 arc(114.83,147.88) 114.7,147.7 arc(114.63,147.57) 114.57,147.44 arc(114.46,147.09) 114.42,146.72 114.42,145.84
CHA_QSFP2_TX3_P: length 101.4
  TOP w0.14: v1(181.91,190.77) 181.91,190.77 J5.6 ; U1.T5 v3(114.1,141.36)
  ART16 w0.102: 114.73,145.84 114.73,145.81 114.68,145.76 114.68,144.07 114.7,143.68 114.7,142.11 114.7,142.07 arc(114.61,141.85) 114.39,141.76 114.29,141.76 arc(114.16,141.7) 114.1,141.57 v3(114.1,141.36)
  ART16 w0.114: v1(181.91,190.77) 182.04,190.64 arc(182.17,190.55) 182.32,190.52 183.3,190.52 arc(183.57,190.47) 183.8,190.31 183.97,190.14 arc(184.2,189.81) 184.28,189.41 184.28,186.53 arc(184.14,185.86) 183.76,185.28 180.86,182.38 arc(180.57,182.19) 180.22,182.12 179.2,182.12 arc(178.61,182) 178.11,181.67 175.5,179.06 arc(169.75,175.21) 162.96,173.86 145.15,173.86 arc(136.83,172.21) 129.78,167.5 116.65,154.37 arc(115.94,153.31) 115.7,152.07 115.7,149.05 arc(115.57,148.39) 115.19,147.83 arc(115.07,147.69) 114.96,147.54 arc(114.9,147.43) 114.85,147.32 arc(114.76,147.03) 114.73,146.72 114.73,145.84
CHA_QSFP2_VCCI: length 4.2
  TOP w0.305: v1(179.41,192.76) J5.30 v1(176.71,192.76)
  BOTTOM w0.381: 179.92,191.73 C484.1 ; C484.1 180.43,192.26 ; C484.1 180.93,191.73
CHA_QSFP2_VCCRX: length 2.4
  TOP w0.356: v1(181.97,193.96) 181.97,193.97 J5.10
  BOTTOM w0.381: 184.53,193.68 C479.1 184.02,194.22
  vias: v1(182.74,193.96)
CHA_QSFP2_VCCTX: length 4.2
  TOP w0.305: v1(176.71,193.56) J5.29 v1(179.41,193.56)
  BOTTOM w0.381: C481.1 180.68,195.61 ; C481.1 180.17,195.08 ; C481.1 179.66,195.61
CHA_QSFP3_I2C_SCL: length 176.2
  TOP w0.17: J7.11 182.57,171.88 184.74,174.06 v1(184.74,176.37) ; R506.2 v1(112.9,64.01)
  ART03 w0.122: v1(112.9,64.01) 112.9,65.86 124.76,77.72 157.35,77.72 159.64,80.01 163.7,80.01 v1(165.61,78.11)
  ART12 w0.122: v1(165.61,78.11) 167.06,79.55 167.06,92.99 171.32,97.26 171.32,113.84 175.51,118.03 175.51,154.31 184.4,163.19 184.4,176.04 v1(184.74,176.37)
  BOTTOM w0.17: R249.2 v1(184.74,176.37)
CHA_QSFP3_I2C_SDA: length 174.1
  TOP w0.17: v1(183.72,176.37) 183.72,173.93 182.48,172.68 J7.12 ; R505.2 v1(112.9,62.87)
  ART03 w0.122: v1(112.9,62.87) 113.41,63.37 113.41,65.53 125.09,77.22 157.86,77.22 160.02,79.38 163.19,79.38 v1(164.47,78.11)
  ART12 w0.122: v1(183.72,176.37) 183.9,176.2 183.9,163.58 175.01,154.69 175.01,118.24 170.81,114.05 170.81,97.47 166.55,93.2 166.55,80.57 164.47,78.49 v1(164.47,78.11)
  BOTTOM w0.17: R250.2 v1(183.72,176.37)
CHA_QSFP3_INTL: length 5.9
  TOP w0.17: v1(175.98,170.68) 175.98,170.79 176.67,171.48 J7.28
  BOTTOM w0.17: R252.2 175.08,169.76 175.98,170.66 v1(175.98,170.68)
CHA_QSFP3_LPMODE: length 30.6
  TOP w0.17: J7.31 176.54,169.08 175.98,169.64 v1(175.98,169.88)
  ART05 w0.122: v1(162.81,187.58) 163.45,186.94 163.45,185.55 165.61,183.39 167,183.39 170.81,179.58 170.81,172.97 173.91,169.88 v1(175.98,169.88)
  BOTTOM w0.17: U21.12 163.46,186.93 v1(162.81,187.58)
